# KiCad board sun3_60.kicad_pcb (continued)
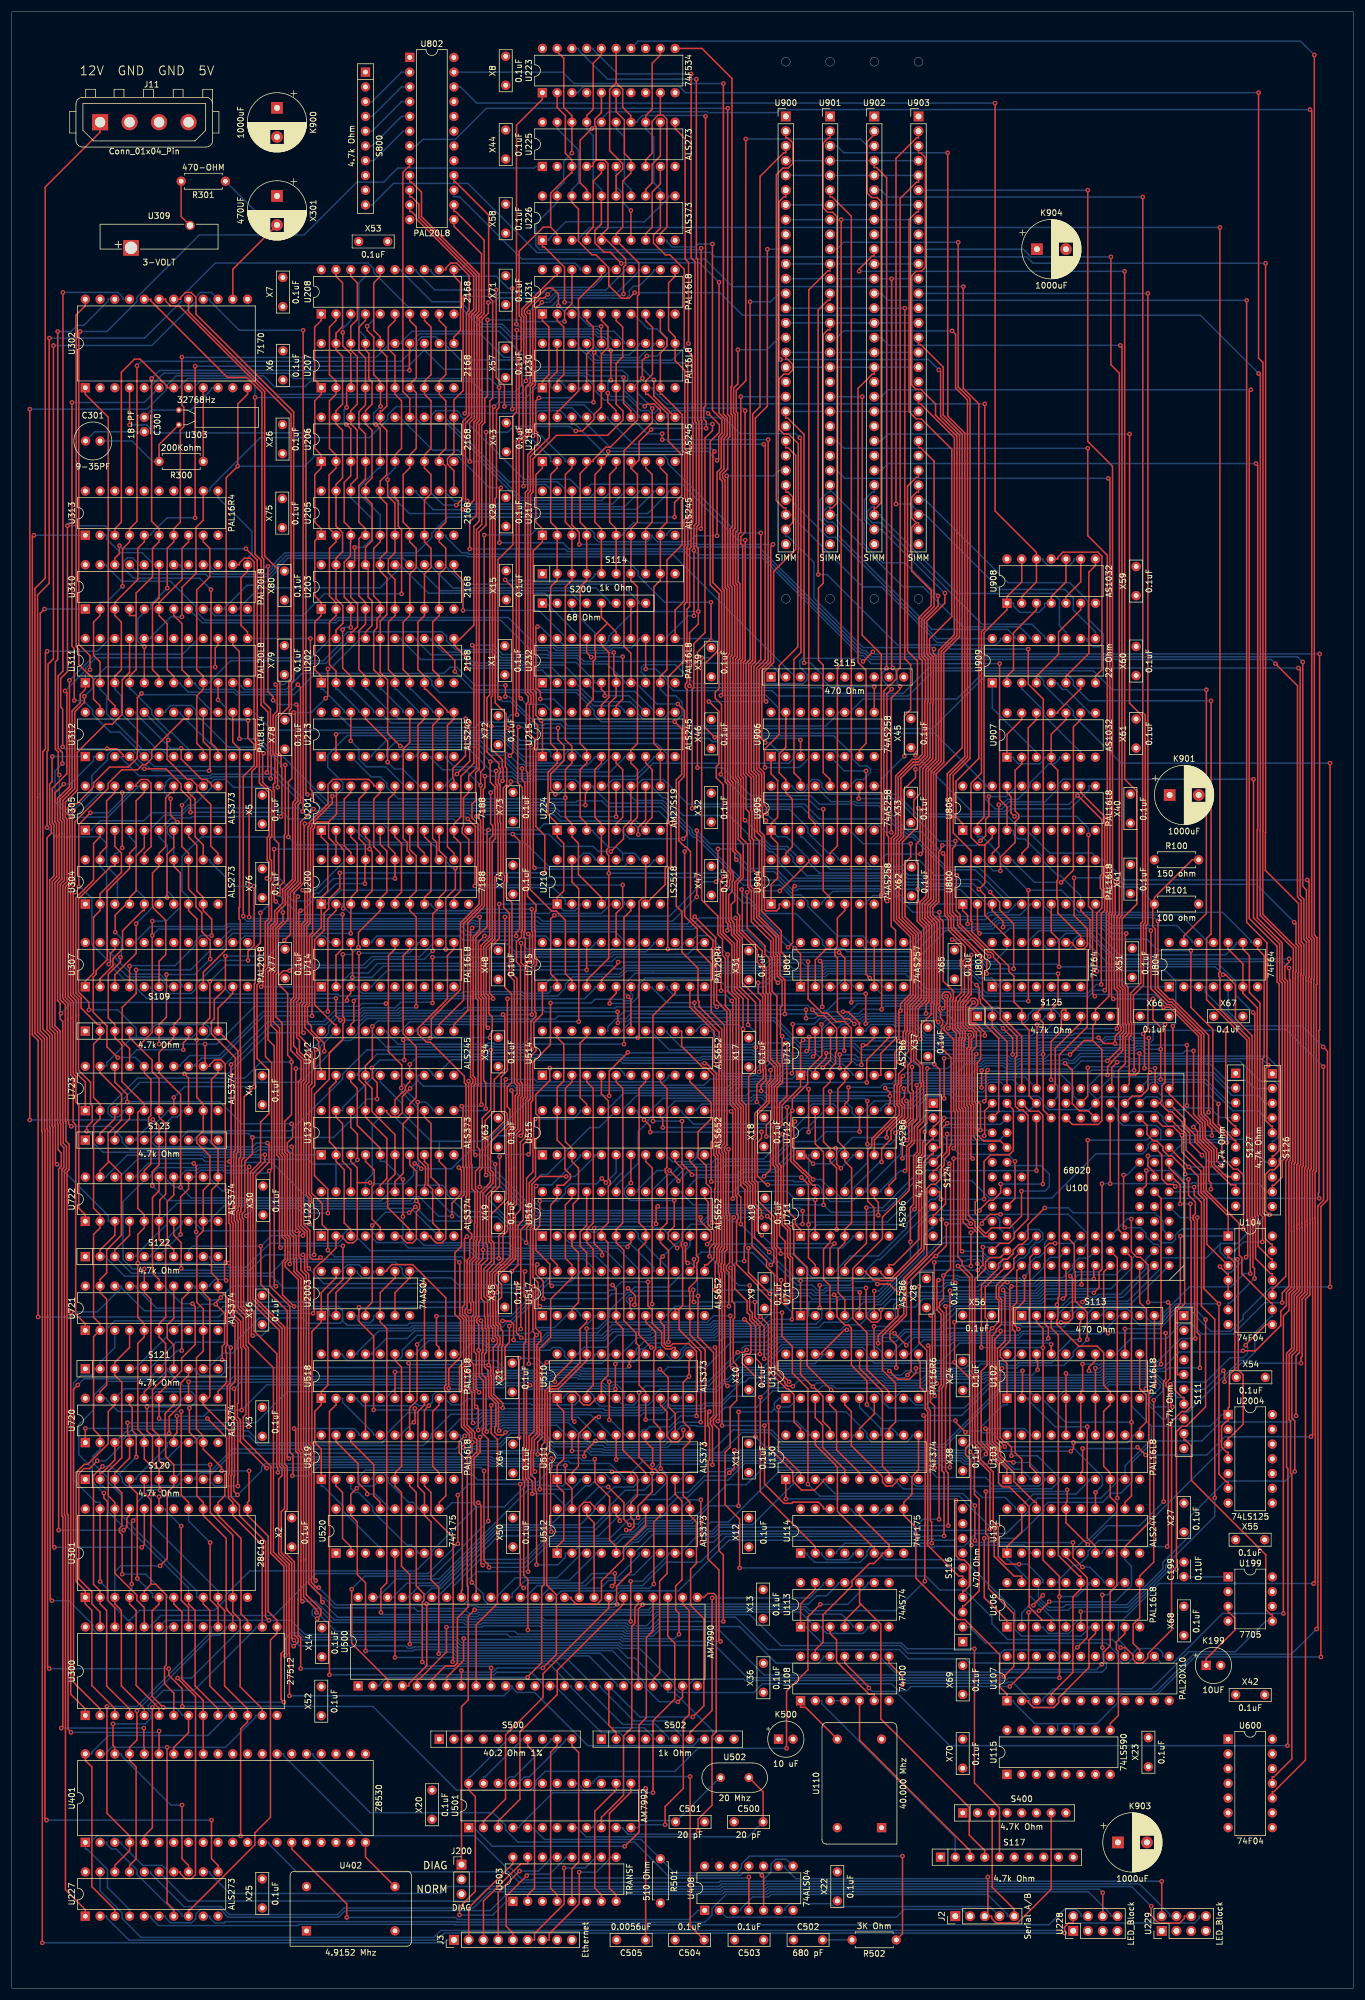
[diagram p0: board, top side]
## Routing (per net, layer and track width the routed paths; a pad name or vN(x,y) marks a point on that pad's centre or on a via; arc(x,y) is an arc through that point) (continued)
/Ethernet/E.D13: length 144.8
  Top w0.25: U517.9 111.76,114.72 112.43,114.05 112.43,110.98 112.86,110.55 113.46,110.55 113.91,111.01 116.66,111.01 117.98,109.69 v1(117.98,98.56) ; v1(110.35,88.71) 110.35,85.51 107.92,83.09 v1(107.92,81.04) ; v1(123.5,144.5) 123.5,133.45 123.69,133.26 123.69,124.93 123.11,124.35 123.11,123.75 123.57,123.29 v1(123.57,117.45) ; v1(110.42,90.16) 110.42,92.93 109.22,94.13 U511.14
  Bottom w0.25: v1(123.5,144.5) 123.32,144.68 118.88,144.68 117.97,143.77 117.97,143.05 117.26,142.34 113.84,142.34 112.89,143.3 112.89,143.52 U515.9 ; v1(110.42,90.16) 110.35,90.08 v1(110.35,88.71) ; v1(117.98,98.56) 115.25,98.56 113.38,96.7 109.89,96.7 109.36,96.17 108.72,96.17 108.09,95.54 108.09,95.26 U511.14 ; U500.42 76.07,67.32 76.07,69.23 80.7,73.86 88.39,73.86 91.97,77.45 103.03,77.45 106.37,80.79 107.68,80.79 v1(107.92,81.04) ; U517.9 112.89,115.84 112.89,116.05 114.29,117.45 v1(123.57,117.45)
/Ethernet/E.D14: length 124.6
  Top w0.25: U500.41 77.48,68.45 77.65,68.62 77.65,91.65 77.09,92.22 77.09,94.16 v1(78.06,95.13) ; 114.97,116.97 114.3,116.97 U517.10 ; 114.97,116.97 114.97,113.43 118.75,109.66 118.75,97.54 v1(118.7,97.49) ; 114.97,116.97 115.59,117.58 115.59,127.6 115.36,127.82 115.36,128.43 115.59,128.65 115.59,141.11 114.3,142.39 U515.10
  Bottom w0.25: v1(78.06,95.13) 78.35,95.13 81.33,98.11 83.87,98.11 84.09,98.33 84.75,98.33 84.75,98.33 97.6,98.33 100.47,95.46 100.47,95.26 U511.17 102.76,94.1 112.25,94.1 113.03,94.88 113.03,95.62 114.9,97.49 v1(118.7,97.49)
/Ethernet/E.D15: length 124.2
  Top w0.25: U500.40 80.02,68.45 80.02,68.45 80.02,82.97 79.67,83.32 79.67,91.26 80.71,92.3 v1(80.71,94.93) ; U515.11 116.84,142.39 117.98,141.25 117.98,126.16 118.33,125.81 118.33,125.21 118.04,124.92 118.04,121.92 116.69,120.57 116.69,119.97 116.84,119.82 116.84,118.51 116.8,118.48 116.8,117.01 116.84,116.97 U517.11 116.84,112.57 119.47,109.94 v1(119.47,93.68)
  Bottom w0.25: 97.93,95.26 97.93,94.98 98.12,94.79 98.42,94.79 98.74,94.47 99.04,94.47 99.97,93.54 101.8,93.54 102.2,93.14 112.96,93.14 113.5,93.68 v1(119.47,93.68) ; 97.93,95.26 97.93,95.44 95.95,97.42 85.13,97.42 85.12,97.43 84.46,97.43 84.24,97.21 82.16,97.21 81.11,96.15 81.11,95.33 v1(80.71,94.93) ; 97.93,95.26 U511.18
/Ethernet/E.DAS-: length 116.3
  Top w0.25: v1(54.75,54) 54.75,99.35 55.88,100.47 U518.2
  Bottom w0.25: U519.16 62.37,95.26 62.37,95.54 57.01,100.91 57.01,101.6 U518.2 ; S502.3 105.55,42.92 105.55,43.2 104.71,44.04 101.6,44.04 93.85,51.8 93.85,52.08 U500.14 91.59,52.08 91.59,52.36 89.52,54.43 83.53,54.43 83.1,54 v1(54.75,54)
/Ethernet/E.GAB: length 91.4
  Top w0.25: U514.3 96.52,156.09 95.39,154.96 95.39,145.77 96.52,144.65 U515.3 96.52,142.39 97.65,141.27 97.65,135.97 96.74,135.06 96.74,130.38 96.97,130.15 96.97,129.23 96.52,128.78 96.52,127.77 ; 96.52,127.77 97.65,126.64 97.65,118.1 96.52,116.97 U517.3 ; 96.52,127.77 U516.3
  Bottom w0.25: U517.3 95.39,115.84 95.39,115.65 93.53,113.79 90.3,113.79 89.28,112.77 87.48,112.77 87.16,112.44 69.87,112.44 67.31,109.88 67.31,108.82 66.58,108.09 57.85,108.09 57.01,108.94 57.01,109.22 U518.19
/Ethernet/E.GBA0-: length 61.4
  Top w0.25: U517.21 99.06,126.68 97.92,127.82 97.92,130.25 99.06,131.38 U516.21
  Bottom w0.25: U517.21 97.93,123.47 97.93,123.28 96.32,121.68 92.71,121.68 85.8,114.77 85.44,114.77 84.35,113.67 71.91,113.67 71.9,113.67 69.26,113.67 68.81,113.22 63.26,113.22 59.55,109.5 59.55,109.22 U518.18
/Ethernet/E.GBA1-: length 90.1
  Top w0.25: U515.21 99.06,152.27 97.93,153.39 97.93,162.77 99.06,163.9 U514.21 ; v1(87.7,113.55) 87.7,130.58 88.71,131.59 88.71,139.5 89.8,140.59 89.8,146.29 89.92,146.4 89.92,149.42 v1(90.19,149.69)
  Bottom w0.25: U515.21 97.93,151.14 97.93,150.86 96.77,149.69 v1(90.19,149.69) ; v1(87.7,113.55) 87.37,113.22 69.45,113.22 68.13,111.89 64.54,111.89 62.09,109.43 62.09,109.22 U518.17
/Ethernet/E.HLDA-: length 94.4
  Top w0.25: v1(73.58,57.62) 73.58,69.01 72.25,70.34 72.25,80.31 71.12,81.43 U520.10 71.12,85.28 69.98,86.41 69.98,97.15 70.01,97.18 70.01,97.78 69.98,97.81 69.98,99.33 71.12,100.46 U518.8
  Bottom w0.25: U520.10 69.99,82.56 69.99,82.84 69.15,83.69 68.39,83.69 64.91,87.16 64.91,87.86 63.99,88.79 62.95,88.79 62.09,87.92 62.09,87.64 U519.4 ; v1(73.58,57.62) 73.85,57.89 75.98,57.89 76.62,57.26 99.4,57.26 104.29,52.36 104.29,52.08 U500.19
/Ethernet/E.HLDX-: length 18.4
  Top w0.25: v1(61.26,85.1) 61.26,85.47 59.69,87.04 59.69,90.32 55.88,94.13 U519.19
  Bottom w0.25: v1(61.26,85.1) 62.65,85.1 64.91,82.84 64.91,82.56 U520.12
/Ethernet/E.HREQ-: length 19.4
  Bottom w0.25: U519.3 58.42,86.13 59.16,85.39 59.74,85.39 62.23,82.9 62.23,82.16 68.06,76.33 68.89,76.33 69.99,75.22 69.99,74.94 U520.7
/Ethernet/E.RCLK: length 62.5
  Top w0.25: v1(110.49,33.7) 110.49,46.08 114.23,49.82 114.23,59.43 113.04,60.62 U500.27
  Bottom w0.25: U501.4 87.49,27.68 87.49,27.96 93.23,33.7 v1(110.49,33.7)
/Ethernet/E.RDY-: length 113.9
  Top w0.25: U518.15 66.04,108.09 67.17,106.97 67.17,89.89 66.04,88.77 U519.6 66.04,86.51 67.17,85.39 67.17,72.66 68.59,71.24 v1(68.59,59.28)
  Bottom w0.25: v1(68.59,59.28) 68.87,59.55 70.44,59.55 70.75,59.25 76.54,59.25 77.18,58.61 104.38,58.61 106.11,56.88 107.39,56.88 111.91,52.36 111.91,52.08 U500.22 113.04,50.95 114.19,50.95 120.79,44.35 120.79,42.92 S502.9
/Ethernet/E.RENA: length 48.6
  Top w0.25: U501.3 83.82,28.8 87.56,32.54 87.56,44.15 93.99,50.58 93.99,54.76 105.42,66.19 U500.30
/Ethernet/E.RX: length 48.6
  Top w0.25: U500.31 102.88,65.51 91.56,54.18 91.56,50.1 85.09,43.63 85.09,32.61 81.28,28.8 U501.2
/Ethernet/E.RX+: length 42.5
  Top w0.25: U503.4 93.98,16.1 92.85,17.23 92.85,40.66 93.98,41.79 S500.9
  Bottom w0.25: U501.22 84.95,35.3 84.95,35.58 85.79,36.42 86.64,36.42 92.85,42.63 92.85,42.92 S500.9
/Ethernet/E.RX+<>: length 21
  Top w0.25: v1(87.48,20.2) 83.82,16.54 J3.4
  Bottom w0.25: U503.13 92.85,22.6 92.85,22.32 90.74,20.2 v1(87.48,20.2)
/Ethernet/E.RX-: length 42.5
  Top w0.25: U503.5 96.52,20.6 97.68,21.76 97.68,40.63 96.52,41.79 S500.10
  Bottom w0.25: U501.21 87.49,35.3 87.49,35.58 88.33,36.42 89.18,36.42 95.39,42.63 95.39,42.92 S500.10
/Ethernet/E.RX-<>: length 22.2
  Top w0.25: J3.5 86.36,9.53 85.2,10.69 85.2,15.88 v1(88.73,19.41)
  Bottom w0.25: U503.12 95.39,22.6 95.39,22.37 92.7,19.69 89.01,19.69 v1(88.73,19.41)
/Ethernet/E.TCLK: length 60.4
  Top w0.25: U500.25 119.25,67.32 119.92,68 120.93,68 121.39,67.53 121.39,44.19 120.65,43.44 120.65,31.53 118.25,29.14 v1(118.25,27.18)
  Bottom w0.25: v1(118.25,27.18) 117.63,26.55 106.2,26.55 105.27,27.48 105.27,27.68 U501.11
/Ethernet/E.TENA: length 47.5
  Top w0.25: U500.26 115.58,66.19 116.73,65.04 116.73,47.15 115.71,46.14 115.71,34.43 112.58,31.3 v1(112.58,28.17)
  Bottom w0.25: U501.12 107.81,27.68 108.3,28.17 v1(112.58,28.17)
/Ethernet/E.TX: length 42.3
  Top w0.25: U501.10 101.6,29.44 105.41,33.25 105.41,43.44 106.83,44.87 106.83,62.35 107.36,62.87 107.36,65.59 107.96,66.19 U500.29
/Ethernet/E.TX+: length 22.3
  Top w0.25: U501.14 104.14,34.17 100.45,30.48 100.45,17.25 101.6,16.1 U503.7
/Ethernet/E.TX+<>: length 23
  Top w0.25: J3.6 90.08,8.35 90.08,9.45 95.18,14.55 v1(95.18,20.74)
  Bottom w0.25: v1(95.18,20.74) 98.79,20.74 100.47,22.41 100.47,22.6 U503.10
/Ethernet/E.TX-: length 22.3
  Top w0.25: U503.8 104.14,16.1 102.98,17.26 102.98,30.1 106.68,33.8 U501.13
/Ethernet/E.TX-<>: length 22.6
  Top w0.25: J3.7 92.62,8.35 92.62,9.4 97.79,14.58 v1(97.79,20.01)
  Bottom w0.25: v1(97.79,20.01) 100.71,20.01 103.01,22.31 103.01,22.6 U503.9
/Ethernet/E.WE-: length 97.3
  Top w0.25: v1(82.61,55.17) 82.61,53.26 82.56,53.21 U500.10 ; v1(48.66,96.4) 48.94,96.12 48.94,92.51 49.39,92.06 49.39,66.96 49.36,66.93 49.36,60.87 49.8,60.43 v1(49.8,55.06) ; U518.4 U519.17
  Bottom w0.25: U519.17 59.83,95.26 59.83,95.54 58.98,96.4 v1(48.66,96.4) ; v1(49.8,55.06) 76.45,55.06 76.84,55.45 82.33,55.45 v1(82.61,55.17)
/FC2: length 304
  Top w0.25: U100.67 198.01,136.02 v1(198.01,107.48) ; v1(148.35,230.13) 148.35,230.13 v1(146.69,228.47) ; v1(225.31,229.76) 225.31,165.02 225.21,164.92 225.21,137.04 225.12,136.94 225.12,136.18 v1(225.27,136.03) ; U103.14 U102.7 v1(186.71,106.79)
  Bottom w0.25: v1(146.69,228.47) 146.15,229 136.21,229 135.77,228.56 135.77,227.53 137.03,226.27 137.03,225.32 136.36,224.65 117.59,224.65 114.32,227.92 108.9,227.92 108.49,227.51 108.49,226.66 109.22,225.93 U232.8 ; v1(148.35,230.13) 148.72,229.76 v1(225.31,229.76) ; v1(186.71,106.79) 186.77,106.73 187.39,106.73 187.8,107.14 197.66,107.14 v1(198.01,107.48) ; v1(225.27,136.03) 198,136.03 U100.67
/HALT-: length 117.4
  Top w0.25: v1(185.37,146.05) 185.37,119.07 v1(184.47,118.18) ; U107.4 179.09,50.67 182.81,54.4 182.81,67.38 184.16,68.73 U106.15 184.16,70.99 183.88,70.99 180.32,74.55 180.32,112.48 179.09,113.71 S113.3
  Bottom w0.25: v1(185.37,146.05) 195.59,146.05 U100.119 ; v1(184.47,118.18) 182.37,118.18 180.21,116.03 180.21,115.84 S113.3
/INIT-: length 790.8
  Top w0.25: v1(11.8,285.29) 11.57,285.06 11.57,231.41 13.5,229.48 v1(13.5,227.04) ; U714.3 58.42,171.33 57.79,170.69 v1(57.79,170.11) ; U311.1 12.7,223.67 11.82,222.8 11.82,221.37 10.42,219.97 10.42,206.76 8.5,204.85 8.49,204.85 8.36,204.72 8.36,201.2 8.64,200.93 8.64,198.83 8.64,198.83 8.64,190.97 7.91,190.24 7.91,170.07 8.36,169.62 8.36,169.39 8.36,169.39 8.36,168.01 v1(8.5,167.88) 8.36,167.75 8.36,166.93 8.82,166.48 8.82,149.12 8.9,149.03 8.9,145.51 9.45,144.96 9.45,141.16 9.1,140.8 9.1,81.56 9.28,81.38 9.28,16.98 12.7,13.56 U227.1 ; v1(121.36,190.54) 121.68,190.86 v1(121.68,196.21) ; v1(93.5,184.78) 92.85,184.13 92.85,174.71 93.98,173.58 U715.2 ; v1(156.19,203.19) 156.49,202.89 156.49,197.68 155.85,197.04 155.85,193.91 156.19,193.56 156.19,189.27 ; U131.8 151.15,102.73 147.34,106.54 147.34,112.92 144.89,115.36 144.89,123.93 150.01,129.05 150.01,132.8 154.63,137.42 154.63,144.71 155.52,145.59 155.52,148.35 156.49,149.32 156.49,155.08 156.64,155.23 156.64,155.83 156.49,155.98 156.49,158.65 155.39,159.75 155.39,163.94 155.68,164.23 155.68,168.82 157.14,170.28 157.14,182.58 155.98,183.74 155.98,187.17 156.19,187.38 156.19,189.27 ; 156.19,189.27 v1(156.12,189.27) ; v1(196.75,101.28) 196.75,73.41 194.32,70.99 U106.11 194.32,63.83 193.2,62.71 193.2,59.41 194.32,58.29 U107.15
  Bottom w0.25: v1(196.75,101.28) 198.31,102.84 198.31,104.01 196.99,105.33 188.55,105.33 187.93,104.71 168.02,104.71 167.57,104.26 160.98,104.26 159.6,102.89 153.35,102.89 152.27,101.81 152.27,101.6 U131.8 ; U805.11 185.58,207.02 185.58,206.31 182.38,203.11 172.12,203.11 171.19,202.18 157.21,202.18 v1(156.19,203.19) ; v1(8.5,167.88) 10.38,169.76 57.44,169.76 v1(57.79,170.11) ; U311.1 12.7,226.24 v1(13.5,227.04) ; v1(11.8,285.29) 16.42,285.29 21.59,290.45 21.59,291.16 32.33,301.9 50.38,301.9 59.48,311.01 64.1,311.01 66.52,313.43 90.04,313.43 90.31,313.7 U225.1 ; U715.2 92.85,172.46 92.85,171.75 92.43,171.33 88.19,171.33 87.91,171.61 77.86,171.61 77.57,171.33 60.39,171.33 59.55,172.18 59.55,172.46 U714.3 ; v1(121.68,196.21) 124.01,196.21 127.4,192.81 131.66,192.81 133.79,190.69 151.61,190.69 153.03,189.27 v1(156.12,189.27) ; v1(93.5,184.78) 93.65,184.63 113.33,184.63 119.24,190.54 v1(121.36,190.54)
/IO2CPU-: length 136.2
  Top w0.25: v1(10.28,148.43) 9.81,148.9 9.81,149.41 9.72,149.5 9.72,166.85 9.72,166.85 9.72,169.55 8.82,170.45 8.82,189.87 9.55,190.6 9.55,198.08 9.54,198.08 9.54,201.3 9.27,201.58 9.27,204.24 11.32,206.29 11.32,212.84 16.15,217.66 17.33,217.66 19.05,219.38 19.05,225.3 20.32,226.57 U311.21
  Bottom w0.25: U123.1 48.59,143.52 47.72,144.39 44.69,144.39 44.66,144.37 43.58,144.37 43.55,144.39 42.49,144.39 42.1,144 33.62,144 33.2,144.42 20.35,144.42 19.05,145.71 19.05,146.45 17.07,148.43 v1(10.28,148.43)
/IOLOCK-: length 370.1
  Top w0.25: v1(6.48,55.05) 6.19,55.33 6.19,147.59 6.19,147.59 6.19,147.91 6.11,148 6.11,163.69 4.93,164.87 4.93,205.68 4.92,205.68 4.92,236.76 v1(5.67,237.5) ; v1(133.49,41.34) 133.49,51.17 137.18,54.85 137.18,63.99 v1(139.31,66.13) ; v1(29.41,48.54) 29.41,51.59 27.07,53.93 v1(27.07,55.05)
  Bottom w0.25: U113.9 147.48,69.86 147.48,69.58 144.03,66.13 v1(139.31,66.13) ; U310.1 v1(5.67,237.5) ; v1(27.07,55.05) v1(6.48,55.05) ; v1(133.49,41.34) 118.23,41.34 114.26,37.37 91.92,37.37 90.31,35.76 90.31,35.08 89.38,34.15 76.63,34.15 62.24,48.54 v1(29.41,48.54)
/IPL0-: length 185.9
  Top w0.25: v1(166.18,160.86) 165.89,160.57 165.89,152.6 166.17,152.32 166.17,148.12 166.17,148.12 166.17,147.15 167.43,145.89 170.35,145.89 U100.116 ; U307.22 17.78,178.95 17.01,178.18 17.01,176.66 v1(16.74,176.38) ; v1(56.62,166.69) 55.87,167.44 v1(55.87,170.49) ; v1(104.38,168.15) 104.43,168.1 v1(104.43,166.24)
  Bottom w0.25: v1(166.18,160.86) 159.8,160.86 159.02,161.64 146.29,161.64 145.27,162.67 139.67,162.67 139.51,162.5 138.93,162.5 138.87,162.56 135.94,162.56 135.1,163.4 135.1,163.54 131.51,167.12 106.72,167.12 106.06,166.46 104.65,166.46 v1(104.43,166.24) ; v1(16.74,176.38) 19.45,173.67 20.75,173.67 21.59,172.83 21.59,172.13 23.23,170.49 v1(55.87,170.49) ; v1(104.38,168.15) 91.84,168.15 91.55,168.44 78.48,168.44 77.96,167.91 67.2,167.91 66.77,167.48 61,167.48 60.21,166.69 v1(56.62,166.69)
/IPL1-: length 193.9
  Top w0.25: v1(154.29,146.03) 154.57,146.31 154.57,148.85 155.08,149.37 155.09,149.37 155.31,149.6 155.31,154.51 155.1,154.71 v1(155.1,158.65) ; v1(142.66,160.79) v1(142.66,158.43) ; v1(124.7,184.31) 124.91,184.09 124.91,181.75 125.87,180.79 125.87,173.14 128.93,170.08 128.93,157.96 v1(128.77,157.8)
  Bottom w0.25: v1(142.66,160.79) 142.7,160.74 145.32,160.74 145.8,160.26 153.49,160.26 v1(155.1,158.65) ; v1(124.7,184.31) 118.5,184.31 117.03,182.84 90.52,182.84 90.07,183.29 79.82,183.29 79.71,183.4 79.11,183.4 79,183.29 78.15,183.29 78.15,183.29 37.13,183.29 36.67,182.84 23.93,182.84 21.45,180.36 21.45,180.08 U307.21 ; v1(142.66,158.43) 141.57,158.43 140.75,159.25 130.53,159.25 129.08,157.8 v1(128.77,157.8) ; v1(154.29,146.03) 159.63,146.03 160.3,145.36 168.34,145.36 U100.117
/IPL2-: length 232.6
  Top w0.25: v1(147.13,166.1) v1(147.13,171.25) ; v1(173.97,137.28) 173.97,132.98 171.95,130.95 168.8,130.95 167.83,129.99 167.74,129.99 166.41,131.32 166.41,133.05 166,133.46 166,135.4 166.28,135.68 166.28,146.08 165.72,146.63 165.72,152.13 165.44,152.41 165.44,153.16 165.44,153.16 165.44,161.43 166.19,162.19 166.19,164.61 165.5,165.3 165.05,165.3 164.35,165.99 164.35,169.29 164.74,169.68 164.74,169.8 165.42,170.47 166.01,170.47 166.44,170.04 166.44,169.44 165.66,168.66 165.56,168.66 165.26,168.36 165.26,166.37 165.42,166.2 166.05,166.2 167.65,164.6 v1(167.65,164.06) ; v1(89.01,181.57) 89.23,181.34 v1(89.23,176.78) ; v1(121.73,178.6) 121.73,177.71 122.21,177.23 v1(122.21,171.78)
  Bottom w0.25: v1(121.73,178.6) 120.72,177.59 104.21,177.59 103.4,176.78 v1(89.23,176.78) ; v1(89.01,181.57) 88.75,181.57 88.38,181.93 80.75,181.93 80.2,181.38 78.15,181.38 77.15,182.38 37.87,182.38 U307.15 ; U100.103 172.03,141.68 177.29,141.68 178.77,140.21 178.77,138.05 177.99,137.28 v1(173.97,137.28) ; v1(122.21,171.78) 123.17,171.78 123.69,171.25 v1(147.13,171.25) ; v1(147.13,166.1) 147.43,166.1 147.81,166.49 152.02,166.49 152.33,166.19 155.58,166.19 156.3,165.47 156.3,165.39 157.56,164.13 159.8,164.13 160.25,163.67 164.44,163.67 164.71,163.4 165.32,163.4 165.98,164.06 v1(167.65,164.06)
/P0: length 112.2
  Top w0.25: U903.26 156.22,257.64 155.92,257.64 155.05,256.76 155.05,253.18 155.86,252.37 ; U713.6 149.73,157.22 149.73,161 152.27,163.54 152.27,182.14 151.53,182.88 151.53,187.65 151.52,187.66 151.52,198 152.29,198.77 152.29,208.77 155.13,211.61 156.01,211.61 156.43,212.04 156.43,212.04 156.87,212.47 156.87,228.6 156.32,229.15 156.32,236.02 158.42,238.12 158.42,240.67 155.04,244.05 155.04,251.55 155.86,252.37 ; U903.29 156.22,252.37 155.86,252.37
/P1: length 131.5
  Top w0.25: v1(160.78,240.26) 160.76,240.23 160.76,238.52 157.67,235.44 157.67,229.72 157.67,229.72 158.32,229.06 158.32,221.34 158.22,221.24 158.22,211.91 156.57,210.26 156.47,210.26 156.44,210.22 156.44,205.64 155.41,204.6 155.41,201.81 156.04,201.17 156.04,199.98 153.44,197.37 153.44,184.37 156.19,181.62 156.19,170.68 154.75,169.24 154.75,167.66 154.74,167.65 154.74,164.57 154.49,164.32 154.49,161.31 153.91,160.74 153.91,158.59 152.8,157.47 152.8,155.69 152.5,155.4 152.5,152.12 152.92,151.71 152.92,150.4 152.31,149.79 152.31,149.79 148.63,146.11 148.63,144.67 148.6,144.65 U712.6
  Bottom w0.25: U902.26 148.6,257.64 148.24,257.64 146.91,256.31 146.91,252.89 U902.29 149.78,251.19 160.72,240.26 v1(160.78,240.26)
/P2: length 156.8
  Top w0.25: U711.6 148.6,130.67 148.58,130.69 148.58,134.41 147.48,135.51 147.48,144.35 148.18,145.05 148.18,146.3 152.29,150.41 152.29,151.7 152.05,151.94 152.05,155.58 152.29,155.82 152.29,158.07 152.15,158.21 152.15,161.16 153.58,162.6 153.58,164.69 153.84,164.95 153.84,168.03 153.85,168.03 153.85,169.61 155.27,171.04 155.27,181.26 153.37,183.16 153.37,183.16 152.43,184.1 152.43,188.02 152.42,188.04 152.42,197.63 153.19,198.4 153.19,208.39 155.51,210.71 155.75,210.71 155.75,210.71 156.14,210.71 156.14,210.71 156.38,210.71 157.77,212.1 157.77,221.43 157.87,221.53 157.87,228.88 157.22,229.53 157.22,229.96 157.22,229.96 157.22,235.62 159.6,238 v1(159.6,239.77)
  Bottom w0.25: 140.99,257.85 U901.26 ; 140.99,257.85 140.99,257.65 140.63,257.65 139.26,256.28 139.26,252.92 U901.29 ; 140.99,257.85 141.15,257.85 146.83,252.17 146.83,248.69 150.05,245.47 153.89,245.47 v1(159.6,239.77)
/P3: length 169.1
  Top w0.25: U900.29 134.56,252.39 134.56,256.81 133.73,257.64 133.37,257.64 U900.26 ; v1(148.6,120.08) U710.6 ; v1(154.83,128.56) 154.83,134.47 155.38,135.02 155.38,143.39 156.03,144.05 156.03,148.23 156.19,148.38 156.19,148.38 157.09,149.29 157.09,156.02 156.96,156.15 156.96,158.9 155.84,160.02 155.84,163.76 156.16,164.07 156.16,168.66 157.61,170.11 157.61,182.76 156.43,183.93 156.43,186.98 157.47,188.01 157.47,194.19 157.46,194.19 157.46,209.88 159.23,211.64 159.23,229.44 158.78,229.89 158.78,230.48 v1(158.89,230.6)
  Bottom w0.25: U900.29 133.37,250.02 133.73,250.02 138.22,245.54 138.22,239.36 146.71,230.86 158.63,230.86 v1(158.89,230.6) ; v1(148.6,120.08) 149.42,120.08 154.83,125.49 v1(154.83,128.56)
/PD0-: length 103.6
  Top w0.25: v1(79.36,231.27) 79.63,231 79.63,210.94 77.38,208.69 77.38,201.71 76.2,200.53 U201.10 76.2,198.27 77.33,197.15 77.33,188.95 76.2,187.83 U200.10
  Bottom w0.25: S115.2 132.43,225.8 132.43,226.31 130.56,228.17 115.73,228.17 115.42,228.48 98.59,228.48 97.59,229.49 92.52,229.49 92.34,229.67 84.55,229.67 82.95,231.27 v1(79.36,231.27)
/PD1-: length 141.4
  Top w0.25: U202.9 73.66,225.93 72.53,227.05 72.53,235.25 73.66,236.37 U203.9 73.66,243.53 74.79,244.65 74.79,247.95 73.66,249.07 U205.9 73.66,251.33 74.79,252.45 74.79,262.08 73.66,263.21 73.66,263.46 ; U208.9 73.66,287.17 74.79,286.05 74.79,277.85 73.66,276.73 U207.9 73.66,274.47 74.79,273.35 74.79,265.15 73.66,264.03 73.66,263.46 ; 73.66,263.46 U206.9
  Bottom w0.25: U205.9 74.79,250.2 74.79,249.92 77.5,247.21 78.52,247.21 78.78,246.94 113.82,246.94 134.78,225.99 134.78,225.8 S115.3
/POR-: length 85.4
  Top w0.25: S111.9 201.94,94.4 202.23,94.4 203.23,93.39 203.23,87.47 216.05,74.65 216.05,65.21 216.9,64.36 217.18,64.36 U199.5
  Bottom w0.25: U199.5 216.05,63.24 210.79,57.97 202.79,57.97 196.39,51.57 179.42,51.57 177.67,49.82 177.67,49.54 U107.3
/PU0: length 38.3
  Bottom w0.25: 162.56,23.29 S117.2 162.56,26.01 139.57,49 139.57,49.54 U108.2
/PU1: length 34.8
  Top w0.25: S117.3 165.1,23.72 146.06,42.76 U108.5
/PU2: length 61.3
  Top w0.25: 146.3,66.14 146.06,66.37 U113.10 ; 146.3,66.14 149.73,62.71 149.73,46.39 164.97,31.15 164.97,26.39 167.64,23.72 S117.4 ; 146.3,66.14 143.53,63.37 U113.4
/PU3: length 78
  Top w0.25: U113.1 135.91,66.19 138.44,68.73 U113.13 ; S117.5 170.18,31.05 165.86,35.37 v1(165.86,58.47)
  Bottom w0.25: v1(165.86,58.47) 154.28,58.47 153.29,59.47 139.59,59.47 137.03,62.02 137.03,62.24 U113.1
/R.ACK-: length 439.6
  Top w0.25: 180.25,117.71 180.25,115.3 180.06,115.1 180.06,114.34 183.81,110.59 187,110.59 188.12,109.46 188.12,103.85 189.25,102.73 U102.8 189.25,100.47 188.12,99.35 188.12,89.89 189.25,88.77 U103.8 189.25,84.62 190.39,83.48 190.39,69.41 189.25,68.27 189.25,68.27 U106.8 189.25,59 188.12,57.87 188.12,56.12 v1(187.8,55.8) ; 180.25,117.71 180.25,118.9 180.49,119.14 180.49,160.76 185.3,165.57 185.3,178.54 185.75,178.99 185.75,183.99 184.16,185.57 U800.9 ; 180.25,117.71 v1(180.08,117.71) ; U805.4 171.47,203.44 170.19,204.71 v1(170.19,228.1) ; v1(78.91,247.85) 78.91,252.51 80.08,253.68 80.08,269.47 80.59,269.98 80.59,287.55 80.8,287.75 80.8,287.76 81.4,288.36 81.4,301.03 76.48,305.95 76.2,305.95 U802.14 ; 138.44,109.22 139.57,109.22 139.57,109.5 143.45,113.38 v1(143.88,113.38)
  Bottom w0.25: v1(170.19,228.1) 148.08,228.1 146.72,229.45 146.16,229.45 129.33,246.28 117.06,246.28 115.95,247.4 95.76,247.4 95.31,247.85 v1(78.91,247.85) ; U805.4 172.59,199.4 172.59,198.68 173.35,197.92 174.55,197.92 177.67,194.79 177.67,194.12 180.18,191.62 180.64,191.62 184.16,188.09 U800.9 ; U108.9 149.73,57.16 149.73,56.88 152.16,54.45 170,54.45 170.45,54.9 186.9,54.9 v1(187.8,55.8) ; v1(143.88,113.38) 144.01,113.25 150.86,113.25 152.46,114.85 160.08,114.85 162.72,117.48 170.39,117.48 170.45,117.43 179.79,117.43 v1(180.08,117.71)
/R/W-: length 296.3
  Top w0.25: v1(71.87,100.33) 71.12,99.58 U519.13 ; U104.3 205.87,128.15 205.87,136.03 204.89,137.01 204.89,138.45 204.89,138.45 204.89,140.7 201.59,144 v1(201.59,146.9) 200.05,148.43 198.29,148.43 U100.132 ; v1(104.48,176.71) 104.48,176.46 101.6,173.58 U715.5 ; v1(206.77,146.85) 206.77,147.94 206.02,148.68 206.02,149.36 204.92,150.46 204.92,164.12 199.66,169.38 199.02,169.38 196.26,172.14 v1(196.26,182.14) ; v1(80.54,102.63) 80.54,102.71 80.02,103.22 80.02,107.32 80.05,107.35 80.05,109.24 79.68,109.62 79.68,113.43 79.68,113.43 79.68,115.44 80.02,115.78 80.02,118.3 80.01,118.31 80.01,125.02 80.47,125.49 80.47,128.54 80.72,128.78 80.72,137.04 80.93,137.25 82.47,138.79 82.47,140.32 82.05,140.74 82.05,146.49 84.95,149.39 84.95,150.33 84.34,150.93 84.34,156.94 85.4,158.01 v1(85.4,170.4)
  Bottom w0.25: v1(104.48,176.71) 128.52,176.71 129.45,177.65 156.39,177.65 160.85,182.1 165.77,182.1 166.05,182.38 168.98,182.38 170.07,183.47 188.42,183.47 189.33,182.56 195.84,182.56 v1(196.26,182.14) ; U518.3 59.55,101.6 59.55,101.32 60.53,100.33 68.93,100.33 69.22,100.62 69.82,100.62 70.11,100.33 v1(71.87,100.33) 72.5,100.95 72.5,102.05 73.19,102.74 74.86,102.74 75,102.61 75.6,102.61 75.74,102.74 77.12,102.74 77.24,102.63 v1(80.54,102.63) ; v1(85.4,170.4) 98.7,170.4 100.47,172.18 100.47,172.46 U715.5 ; v1(201.59,146.9) 201.64,146.85 v1(206.77,146.85)
/READ-: length 387.5
  Top w0.25: v1(55.24,205.27) 55.24,204.06 52.46,201.28 52.46,201.28 51.74,200.56 51.74,200.03 51.48,199.78 51.48,188.66 51.41,188.59 51.41,183.39 50.85,182.83 50.85,169.49 50.5,169.15 50.5,165.44 52.89,163.05 52.89,162.18 53.12,161.94 53.12,158.56 53.34,158.34 U212.1 ; v1(212.65,125.91) 212.93,126.19 212.93,132.27 212.79,132.41 212.79,146.95 212.79,146.95 212.79,163.29 205.84,170.23 205.84,180.78 206.63,181.56 v1(206.63,221.69) ; U218.1 91.44,261.77 90.31,260.65 90.31,252.45 91.44,251.33 U217.1 91.44,249.07 89.86,247.49 89.86,223.68 90.31,223.23 90.31,223.07 90.36,223.03 90.36,220.93 90.31,220.89 90.31,219.19 v1(91.19,218.32) 91.44,218.07 U215.1 ; U104.5 U104.4 209.56,123.05 209.38,123.05 v1(208.15,124.28)
  Bottom w0.25: U213.1 54.47,212.1 ; v1(208.15,124.28) 209.09,123.33 210.07,123.33 v1(212.65,125.91) ; v1(206.63,221.69) 185.61,221.69 182.9,224.41 182.9,225.19 181.68,226.4 167.23,226.4 162.83,222.01 146.66,222.01 144.65,220 144.65,219.72 U906.11 142.4,219.72 142.4,219.5 140.26,217.36 95.87,217.36 94.92,218.32 91.19,218.32 v1(91.19,218.32) ; U215.1 88.08,212.1 84.47,215.7 57.79,215.7 54.47,212.38 54.47,212.1 ; v1(55.24,205.27) 55.76,205.27 57.06,206.57 57.06,207.64 54.47,210.23 54.47,212.1
/RERUN-: length 404.9
  Top w0.25: v1(40.36,247.88) 42.32,245.92 42.32,215.17 42.68,214.81 42.68,207.51 43.01,207.18 43.08,207.18 44.36,205.9 44.36,198.48 44.03,198.15 44.03,194.28 44.32,193.98 44.32,191.62 43.99,191.29 v1(43.99,191.11) ; U106.6 v1(184.16,64.87) ; v1(200.66,72.15) 200.66,95.88 201.58,96.8 202.34,96.8 205.68,100.13 v1(205.68,115.17) ; U310.22 17.78,246.25 18.57,247.03 v1(18.57,248.4) ; v1(49.32,187.95) 49.04,187.68 49.04,170.47 48.59,170.01 48.59,162.28 49.12,161.75 49.12,161.11 50.31,159.92 50.31,156.4 49.86,155.95 49.86,132.35 49.86,132.35 49.86,131.38 50.77,130.46 50.77,130.46 50.92,130.31 50.92,124.23 v1(51.21,123.95) ; v1(71.12,121.34) U518.13 ; v1(152.08,112.79) v1(154.13,110.75)
  Bottom w0.25: v1(152.08,112.79) 151.99,112.71 148.61,112.71 148.56,112.66 131.46,112.66 130.08,111.27 123.95,111.27 119.64,106.96 113.05,106.96 111.91,105.81 98.05,105.81 97.8,106.06 92.9,106.06 92.73,105.89 90.85,105.89 90.35,106.39 85.2,106.39 83.49,108.09 71.12,108.09 U518.13 ; v1(51.21,123.95) 53.81,121.34 v1(71.12,121.34) ; v1(43.99,191.11) 46.17,191.11 v1(49.32,187.95) ; v1(154.13,110.75) 155.49,112.11 160.82,112.11 160.83,112.12 161.81,112.12 162.14,112.45 173.37,112.45 173.72,112.8 173.73,112.8 174.07,113.15 184.01,113.15 S113.6 187.83,115.84 187.83,116.13 188.68,116.97 192.26,116.97 193.06,116.18 193.06,115.45 194.31,114.19 197.73,114.19 199.03,115.49 199.03,115.63 200.82,117.42 203.42,117.42 v1(205.68,115.17) ; v1(18.57,248.4) 19.09,247.88 v1(40.36,247.88) ; v1(184.16,64.87) 192.21,64.87 199.48,72.14 v1(200.66,72.15)